# Altium PCB PCB.PcbDoc (part 6 of 10)
Units mil, origin at the board's own origin, x right, y up, seen from the top; angles counter-clockwise.
Board outline 4370.08 x 4921.26 mil, 6 copper layers (Component Side, Ground Plane I, Signal Layer 1, Power Plane, Ground Plane II, Solder Side), stack 57.638 mil thick; 274 components, 415 nets, 1726 pads, 902 vias.
Unrouted connection lines stored in the file: 2.
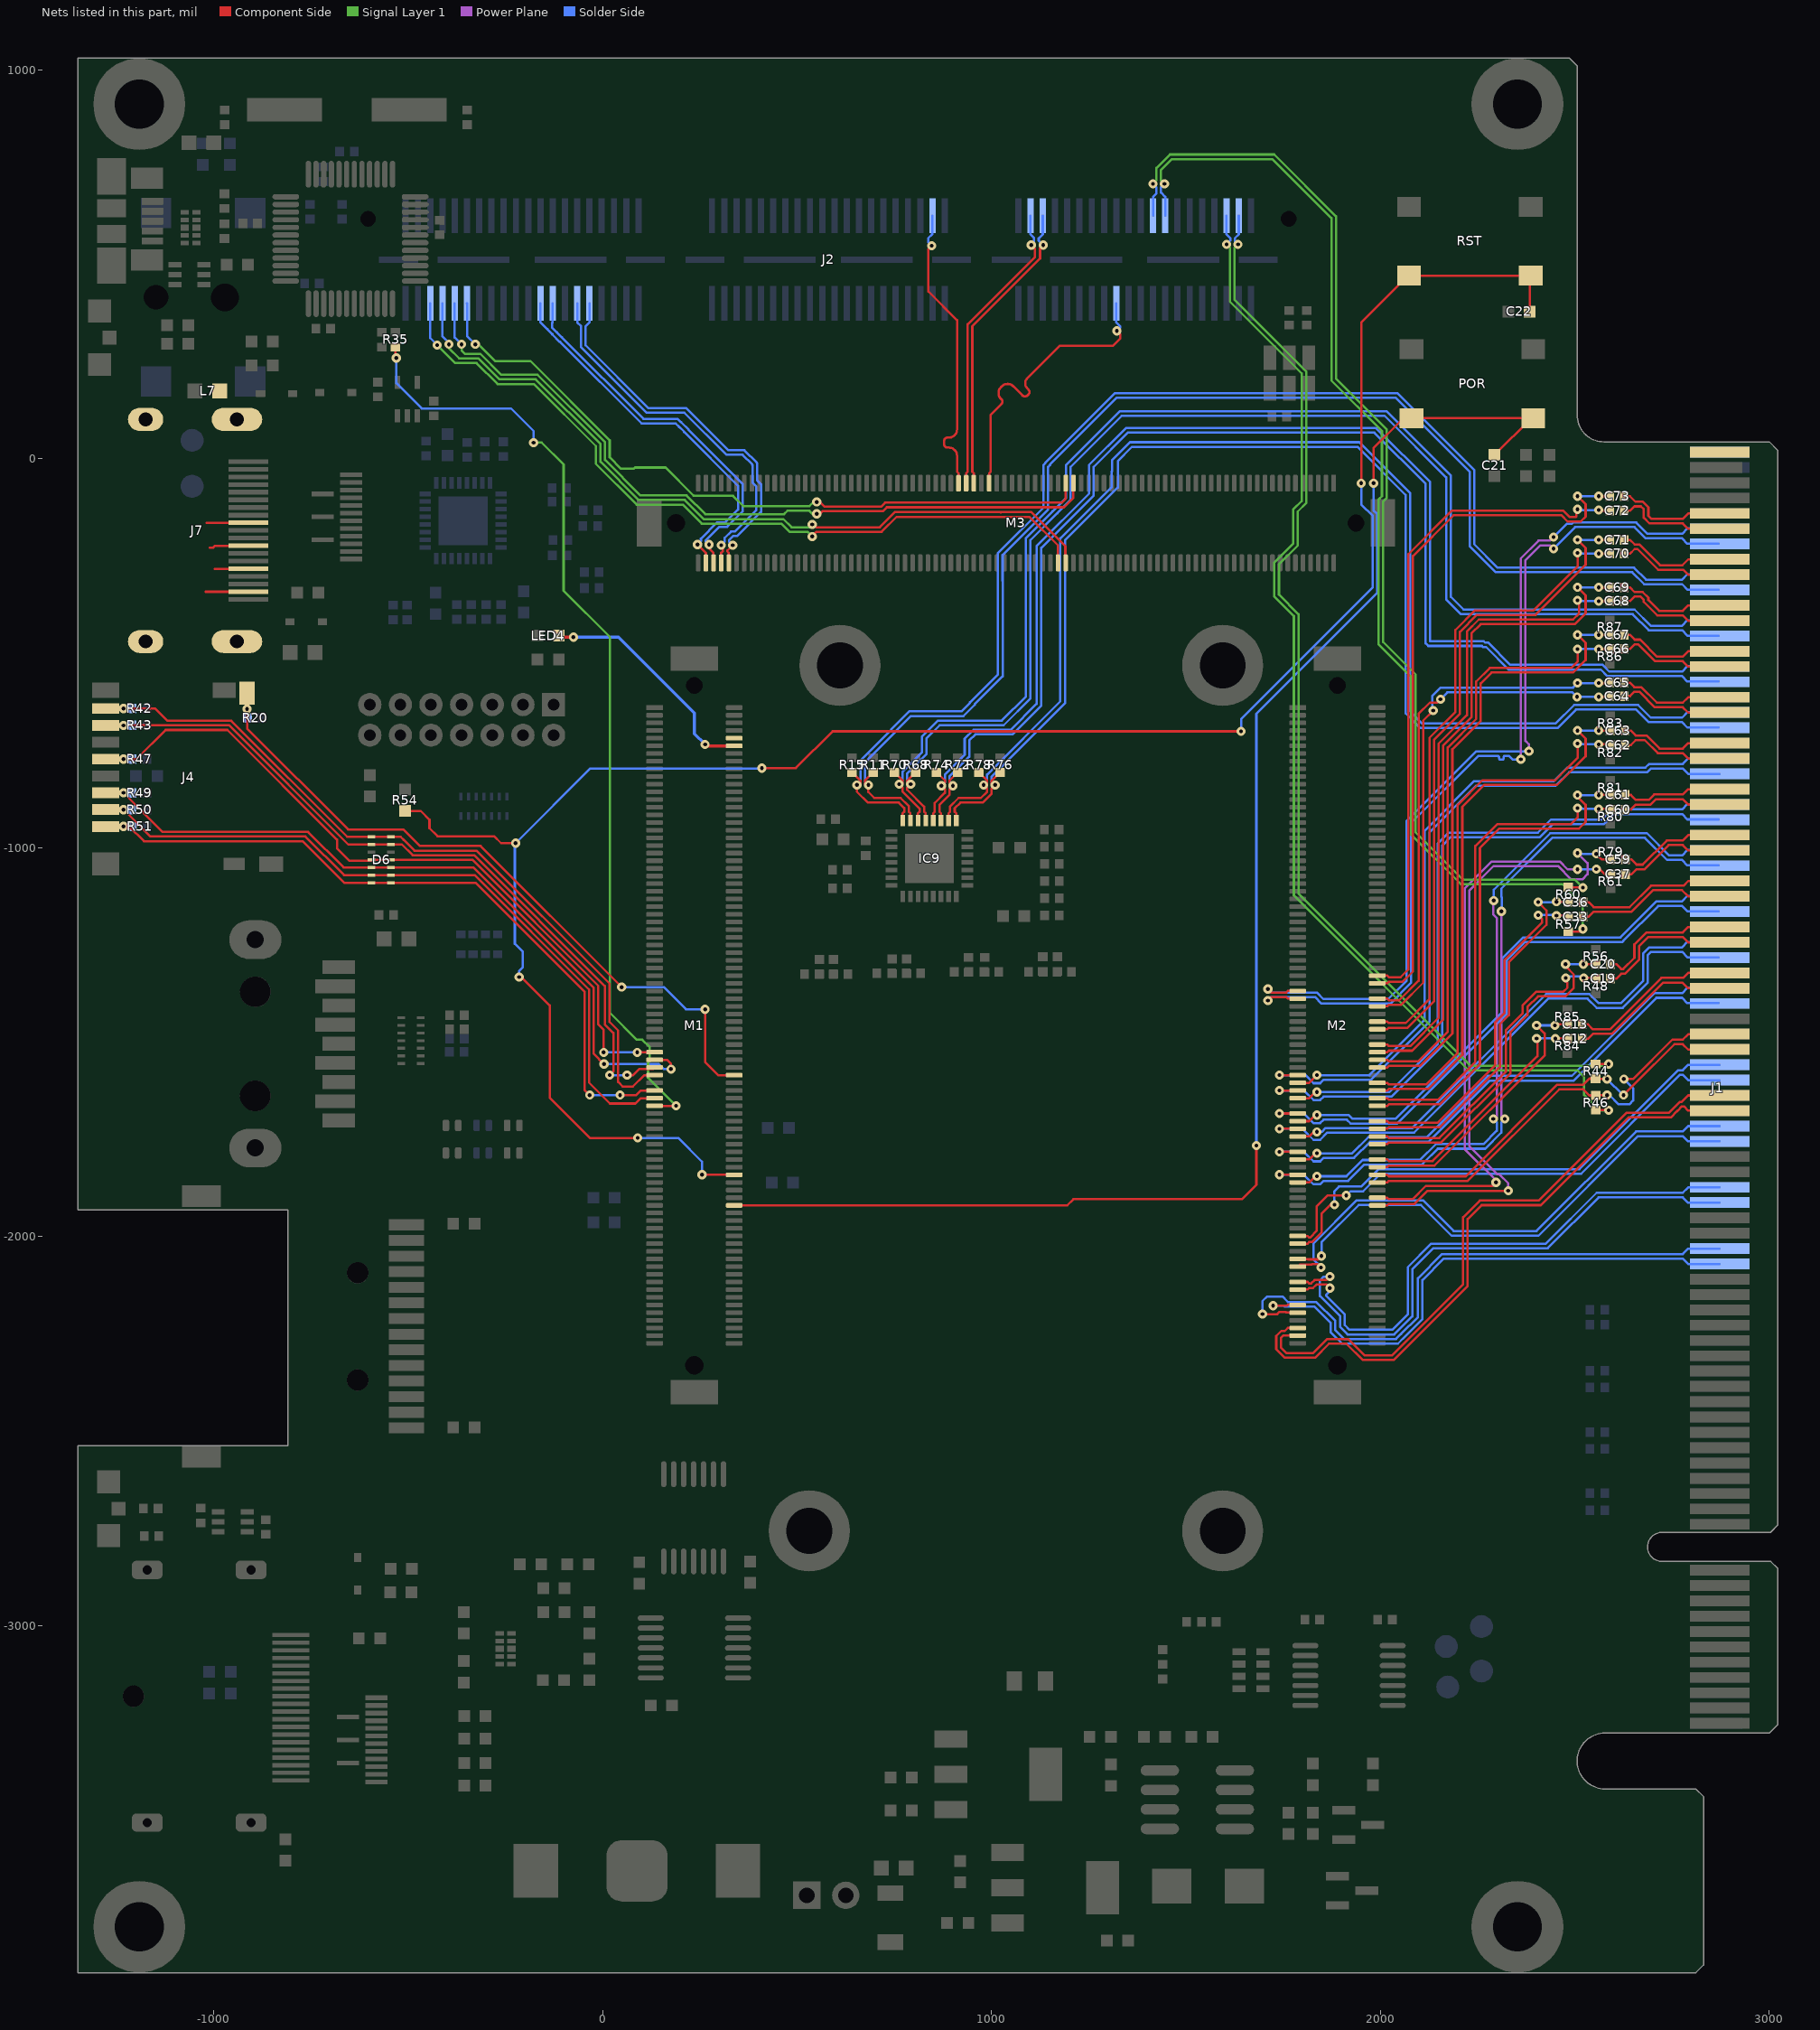
[diagram p10: the nets of this part, all layers, seen from the top]

## Via types
v1: diameter 23.62, hole 9.84, Component Side to Solder Side, 902 vias

## Nets (pads, with @x,y where several pads share a name; then routed paths per layer and width w, separated by ;. In a path a pad name is that pad's centre, name@x,y a point inside that pad or via, vN(x,y) a via of type N, cw(c..) or ccw(c..) an arc to the next point about the centre after c; other vN are vias at no path point) (continued)
PREPROC_C_LVDS_0_N: C73.1 J1.B78 | length 287.4
  Component Side w5.91: C73.1@2627.17,-96.46 2641.71,-96.46 2655.96,-110.71 2674.66,-110.71 2688.98,-125.03 2688.98,-146.72 2696.84,-154.58 2777.53,-154.58 2791.31,-140.8 J1.B78@2872.05,-140.8
PREPROC_C_LVDS_0_P: C72.1 J1.B77 | length 286.2
  Component Side w5.91: C72.1@2627.17,-133.86 2641.71,-133.86 2653.04,-122.52 2669.77,-122.52 2677.17,-129.92 2677.17,-151.61 2691.95,-166.39 2777.53,-166.39 2791.31,-180.17 J1.B77@2872.05,-180.17
PREPROC_C_LVDS_1_N: C71.1 J1.B75 | length 277.9
  Component Side w5.91: C71.1@2627.17,-208.66 2641.71,-208.66 2653.52,-220.48 2665.66,-220.48 2718.8,-273.62 2776.61,-273.62 2791.31,-258.91 J1.B75@2872.05,-258.91
PREPROC_C_LVDS_1_P: C70.1 J1.B74 | length 277.1
  Component Side w5.91: C70.1@2627.17,-244.1 2641.71,-244.1 2653.52,-232.29 2660.76,-232.29 2713.91,-285.43 2778.46,-285.43 2791.31,-298.28 J1.B74@2872.05,-298.28
PREPROC_C_LVDS_2_N: C69.1 J1.B72 | length 278.9
  Component Side w5.91: C69.1@2627.17,-330.71 2641.71,-330.71 2653.52,-342.52 2674,-342.52 2688.98,-357.49 2688.98,-363.27 2716.51,-390.8 2777.53,-390.8 2791.31,-377.02 J1.B72@2872.05,-377.02
PREPROC_C_LVDS_2_P: C68.1 J1.B71 | length 278.9
  Component Side w5.91: C68.1@2627.17,-366.14 2641.71,-366.14 2653.52,-354.33 2669.11,-354.33 2677.17,-362.38 2677.17,-368.17 2711.61,-402.62 2777.53,-402.62 2791.31,-416.39 J1.B71@2872.05,-416.39
PREPROC_C_LVDS_3_N: C67.1 J1.B69 | length 273.9
  Component Side w5.91: C67.1@2627.17,-452.76 2641.71,-452.76 2654.04,-465.09 2667.61,-465.09 2711.43,-508.91 2777.53,-508.91 2791.31,-495.13 J1.B69@2872.05,-495.13
PREPROC_C_LVDS_3_P: C66.1 J1.B68 | length 273.9
  Component Side w5.91: C66.1@2627.17,-489.24 2641.71,-489.24 2654.04,-476.9 2662.72,-476.9 2706.54,-520.73 2777.53,-520.73 2791.31,-534.5 J1.B68@2872.05,-534.5
PREPROC_C_LVDS_4_SSCLK_N: C65.1 J1.B66 | length 271.7
  Component Side w5.91: C65.1@2627.17,-575.87 2641.71,-575.87 2652.99,-587.15 2670.78,-587.15 2710.6,-626.97 2777.59,-626.97 2791.31,-613.24 J1.B66@2872.05,-613.24
PREPROC_C_LVDS_4_SSCLK_P: C64.1 J1.B65 | length 271.8
  Component Side w5.91: C64.1@2627.17,-610.24 2641.71,-610.24 2652.99,-598.96 2665.89,-598.96 2705.71,-638.78 2777.48,-638.78 2791.31,-652.62 J1.B65@2872.05,-652.62
PREPROC_C_LVDS_5_N: C63.1 J1.B63 | length 267.8
  Component Side w5.91: C63.1@2629.13,-698.82 2643.68,-698.82 2656.47,-711.61 2684.35,-711.61 2717.87,-745.13 2777.53,-745.13 2791.31,-731.36 J1.B63@2872.05,-731.36
PREPROC_C_LVDS_5_P: C62.1 J1.B62 | length 267.8
  Component Side w5.91: C62.1@2629.13,-736.22 2643.68,-736.22 2656.47,-723.43 2679.46,-723.43 2712.98,-756.95 2777.53,-756.95 2791.31,-770.73 J1.B62@2872.05,-770.73
PREPROC_C_LVDS_6_N: C61.1 J1.B60 | length 259.6
  Component Side w5.91: C61.1@2629.17,-864.31 2643.68,-864.31 2656.47,-877.1 2689.85,-877.1 2703.77,-863.19 2777.59,-863.19 2791.31,-849.47 J1.B60@2872.05,-849.47
PREPROC_C_LVDS_6_P: C60.1 J1.B59 | length 259.7
  Component Side w5.91: C60.1@2629.17,-901.71 2643.68,-901.71 2656.47,-888.92 2694.75,-888.92 2708.66,-875 2777.48,-875 2791.31,-888.84 J1.B59@2872.05,-888.84
PREPROC_C_LVDS_7_N: C36.1 J1.B54 | length 384.2
  Component Side w5.91: C36.1@2520.87,-1139.76 2535.41,-1139.76 2548.2,-1152.56 2640.79,-1152.56 2695.91,-1097.44 2779.56,-1097.44 2791.31,-1085.69 J1.B54@2872.05,-1085.69
PREPROC_C_LVDS_7_P: C33.1 J1.B53 | length 385.9
  Component Side w5.91: C33.1@2520.87,-1177.17 2535.41,-1177.17 2548.2,-1164.37 2645.69,-1164.37 2700.8,-1109.25 2775.51,-1109.25 2791.31,-1125.06 J1.B53@2872.05,-1125.06
PREPROC_C_LVDS_8_N: C20.1 J1.B51 | length 350.8
  Component Side w5.91: C20.1@2591.54,-1299.21 2606.27,-1299.21 2619.07,-1312.01 2624.02,-1312.01 2652.99,-1283.04 2652.99,-1248.62 2684.08,-1217.52 2777.59,-1217.52 2791.31,-1203.8 J1.B51@2872.05,-1203.8
PREPROC_C_LVDS_8_P: C19.1 J1.B50 | length 350.8
  Component Side w5.91: C19.1@2591.54,-1336.61 2606.27,-1336.61 2619.07,-1323.82 2628.91,-1323.82 2664.8,-1287.93 2664.8,-1253.51 2688.98,-1229.33 2777.48,-1229.33 2791.31,-1243.17 J1.B50@2872.05,-1243.17
PREPROC_C_LVDS_9_N: C13.1 J1.B48 | length 418.6
  Component Side w5.91: C13.1@2518.7,-1453.8 2533.44,-1453.8 2546.3,-1466.66 2590.42,-1466.66 2722.44,-1334.65 2778.57,-1334.65 2791.31,-1321.91 J1.B48@2872.05,-1321.91
PREPROC_C_LVDS_9_P: C12.1 J1.B47 | length 419.3
  Component Side w5.91: C12.1@2518.9,-1491.34 2533.44,-1491.34 2546.3,-1478.47 2595.32,-1478.47 2727.33,-1346.46 2776.49,-1346.46 2791.31,-1361.28 J1.B47@2872.05,-1361.28
PREPROC_C_LVDS_SSCLK_N: C59.1 J1.B57 | length 278.8
  Component Side w5.91: C59.1@2629.92,-1030.45 2645.64,-1030.45 2658.44,-1043.24 2674.31,-1043.24 2736.19,-981.36 2777.53,-981.36 2791.31,-967.58 J1.B57@2872.05,-967.58
PREPROC_C_LVDS_SSCLK_P: C37.1 J1.B56 | length 278.8
  Component Side w5.91: C37.1@2629.92,-1067.85 2645.64,-1067.85 2658.44,-1055.05 2679.2,-1055.05 2741.09,-993.17 2777.53,-993.17 2791.31,-1006.95 J1.B56@2872.05,-1006.95
PREPROC_LVDS_0_N: C73.2 M2.74 | length 1814.3
  Component Side w5.91: M2.74@1992.13,-1348.43 2017.69,-1348.43 2021.63,-1344.49 2057.03,-1344.49 2083.63,-1317.88 2083.63,-250 2187.96,-145.67 2465.58,-145.67 2481.33,-161.42 2514.9,-161.42 2527.56,-148.76 2527.56,-117.13 v1(2506.89,-96.46) ; v1@2560.24,-96.46 v1(2561.02,-96.46) C73.2@2589.37,-96.46
  Solder Side w5.91: v1(2506.89,-96.46) v1@2560.24,-96.46
PREPROC_LVDS_0_P: C72.2 M2.72 | length 1744.7
  Component Side w5.91: M2.72@1992.13,-1328.74 2017.69,-1328.74 2021.63,-1332.68 2052.14,-1332.68 2071.82,-1312.99 2071.82,-245.11 2183.07,-133.86 2470.47,-133.86 2486.22,-149.61 2502.08,-149.61 2503.43,-148.25 2503.43,-133.38 v1(2506.89,-129.92) ; v1(2561.02,-131.89) 2562.99,-133.86 C72.2@2589.37,-133.86
  Solder Side w5.91: v1@2506.89,-131.89 2507.34,-131.78 v1@2514.96,-129.92 ; v1@2512.99,-131.89 v1@2558.27,-131.89
PREPROC_LVDS_1_N: C71.2 M2.86 | length 1702.2
  Component Side w5.91: M2.86@1992.13,-1466.54 2017.69,-1466.54 2021.63,-1462.6 2069.85,-1462.6 2137.8,-1394.66 2137.8,-722.44 2204.72,-655.51 2204.72,-444.94 2248.09,-401.57 2398.76,-401.57 2527.56,-272.78 2527.56,-229.33 v1(2506.89,-208.66) ; v1(2561.02,-208.66) C71.2@2589.37,-208.66
  Solder Side w5.91: v1(2506.89,-208.66) v1(2561.02,-208.66)
PREPROC_LVDS_1_P: C70.2 M2.84 | length 1628.1
  Component Side w5.91: M2.84@1992.13,-1446.85 2017.69,-1446.85 2021.63,-1450.79 2064.96,-1450.79 2125.98,-1389.76 2125.98,-717.55 2192.91,-650.62 2192.91,-440.05 2243.2,-389.76 2393.87,-389.76 2506.89,-276.74 v1(2506.89,-242.12) ; v1(2561.02,-244.09) C70.2@2589.37,-244.1
  Solder Side w5.91: v1@2513.78,-244.09 v1@2559.06,-244.09
PREPROC_LVDS_2_N: C69.2 M2.92 | length 1699.7
  Component Side w5.91: M2.92@1992.13,-1525.59 2017.69,-1525.59 2021.63,-1521.65 2081.66,-1521.65 2161.42,-1441.9 2161.42,-737.18 2234.25,-664.34 2234.25,-448.82 2257.87,-425.2 2499.99,-425.2 2527.56,-397.62 2527.56,-351.38 v1(2506.89,-330.71) ; v1(2561.02,-330.71) C69.2@2589.37,-330.71
  Solder Side w5.91: v1(2506.89,-330.71) v1(2561.02,-330.71)
PREPROC_LVDS_2_P: C68.2 M2.90 | length 1638.5
  Component Side w5.91: M2.90@1992.13,-1505.91 2017.69,-1505.91 2021.63,-1509.84 2076.77,-1509.84 2149.61,-1437.01 2149.61,-732.28 2222.44,-659.45 2222.44,-443.93 2252.98,-413.39 2495.09,-413.39 2510.84,-397.64 2510.84,-368.12 v1(2506.89,-364.17) ; v1(2561.02,-366.14) C68.2@2589.37,-366.14
  Solder Side w5.91: v1(2506.89,-364.17) 2508.86,-366.14 v1(2561.02,-366.14)
PREPROC_LVDS_3_N: C67.2 M2.96 R87.2 | length 1609.5
  Component Side w5.91: M2.96@1992.13,-1564.96 2017.69,-1564.96 2021.63,-1561.02 2101.35,-1561.02 2185.04,-1477.33 2185.04,-746.96 2257.87,-674.13 2257.87,-577.73 2285.91,-549.69 2495.59,-549.69 2527.56,-517.72 2527.56,-473.43 v1(2506.89,-452.76) ; v1(2561.02,-452.76) C67.2@2589.37,-452.76
  Solder Side w5.91: v1(2506.89,-452.76) v1(2561.02,-452.76)
PREPROC_LVDS_3_P: C66.2 M2.94 R86.2 | length 1541.7
  Component Side w5.91: M2.94@1992.13,-1545.28 2017.69,-1545.28 2021.63,-1549.21 2096.46,-1549.21 2173.23,-1472.44 2173.23,-742.07 2246.06,-669.23 2246.06,-572.83 2281.02,-537.88 2490.69,-537.88 2507.4,-521.18 2507.4,-489.74 v1(2506.89,-489.24) ; v1(2561.02,-489.24) C66.2@2589.37,-489.24
  Solder Side w5.91: v1(2506.89,-489.24) v1(2561.02,-489.24)
PREPROC_LVDS_4_SSCLK_N: C65.2 M2.80 | length 1361.4
  Component Side w5.91: M2.80@1992.13,-1407.48 2017.69,-1407.48 2021.63,-1403.54 2053.59,-1403.54 2110.24,-1346.89 2110.24,-673.23 v1(2135.83,-647.64) ; v1(2561.02,-576.77) 2588.46,-576.77 C65.2@2589.37,-575.87
  Solder Side w5.91: v1(2135.83,-647.64) 2133.86,-645.67 2133.86,-609.55 2154.82,-588.58 2482.28,-588.58 2495.08,-588.58 v1(2506.89,-576.77) v1(2561.02,-576.77)
PREPROC_LVDS_4_SSCLK_P: C64.2 M2.78 | length 1334.3
  Component Side w5.91: M2.78@1992.13,-1387.8 2017.69,-1387.8 2021.63,-1391.73 2048.69,-1391.73 2098.43,-1342 2098.43,-655.81 2127.27,-626.97 2145.67,-626.97 v1(2154.53,-618.11) ; v1(2561.02,-612.2) 2587.4,-612.2 C64.2@2589.37,-610.24
  Solder Side w5.91: v1(2154.53,-618.11) 2172.24,-600.39 2482.28,-600.39 2493.76,-600.39 v1(2505.57,-612.2) v1(2561.02,-612.2)
PREPROC_LVDS_5_N: C63.2 M2.102 R83.2 | length 1415.1
  Component Side w5.91: M2.102@1992.13,-1624.02 2017.69,-1624.02 2021.63,-1620.08 2123,-1620.08 2210.63,-1532.45 2210.63,-894.69 2266.73,-838.58 2453.88,-838.58 2527.56,-764.9 2527.56,-719.49 v1(2506.89,-698.82) ; v1(2561.02,-698.82) C63.2@2591.34,-698.82
  Solder Side w5.91: v1@2513.39,-698.82 v1@2558.66,-698.82
PREPROC_LVDS_5_P: C62.2 M2.100 R82.2 | length 1355.5
  Component Side w5.91: M2.100@1992.13,-1604.33 2017.69,-1604.33 2021.63,-1608.27 2118.11,-1608.27 2198.82,-1527.56 2198.82,-889.79 2261.84,-826.77 2448.99,-826.77 2506.89,-768.87 v1@2506.89,-734.25 ; v1(2561.02,-734.25) 2589.37,-734.25 C62.2@2591.34,-736.22
  Solder Side w5.91: v1@2506.89,-734.25 2507.44,-734.09 v1@2513.39,-732.28 ; v1@2511.42,-734.25 v1@2556.69,-734.25
  other v1: 2506.89,-732.28
PREPROC_LVDS_6_N: C61.2 M2.106 R81.2 | length 1327.4
  Component Side w5.91: M2.106@1992.13,-1663.39 2017.69,-1663.39 2021.63,-1659.45 2152.53,-1659.45 2255.91,-1556.07 2255.91,-1000.48 2305.6,-950.79 2510.8,-950.79 2527.56,-934.03 2527.56,-889.73 2506.89,-869.06 v1(2506.89,-864.83) ; v1(2561.02,-864.83) 2561.55,-864.31 C61.2@2591.38,-864.31
  Solder Side w5.91: v1(2506.89,-864.83) v1(2561.02,-864.83) v1@2562.99,-864.83
PREPROC_LVDS_6_P: C60.2 M2.104 R80.2 | length 1253.4
  Component Side w5.91: M2.104@1992.13,-1643.7 2017.69,-1643.7 2021.63,-1647.64 2147.64,-1647.64 2244.09,-1551.18 2244.09,-995.59 2300.7,-938.98 2490,-938.98 2506.89,-922.09 v1(2506.89,-898.29) ; v1(2561.02,-900.26) 2589.93,-900.26 C60.2@2591.38,-901.71
  Solder Side w5.91: v1@2506.89,-900.26 2507.24,-900.2 v1@2517.72,-898.29 ; v1@2515.75,-900.26 v1(2561.02,-900.26)
PREPROC_LVDS_7_N: C36.2 M2.112 R60.2 | length 945.4
  Component Side w5.91: M2.112@1992.13,-1722.44 2017.69,-1722.44 2021.63,-1718.5 2152.53,-1718.5 2307.09,-1563.95 2307.09,-1453.74 2330.71,-1430.12 2330.71,-1294.26 2427.17,-1197.81 2427.17,-1161.41 v1(2405.51,-1139.76) ; v1(2452.76,-1138.84) 2452.89,-1138.98 R60.2@2483.07,-1138.98
  Solder Side w5.91: v1@2401.57,-1139.76 v1(2405.51,-1139.76) 2451.83,-1139.76 v1(2452.76,-1138.84)
PREPROC_LVDS_7_P: C33.2 M2.110 R57.2 | length 885.1
  Component Side w5.91: M2.110@1992.13,-1702.76 2017.69,-1702.76 2021.63,-1706.69 2147.64,-1706.69 2295.28,-1559.06 2295.28,-1448.85 2318.9,-1425.23 2318.9,-1289.37 2415.35,-1192.91 2415.35,-1183.07 v1(2405.51,-1173.23) ; v1(2452.76,-1174.28) 2479.39,-1174.28 R57.2@2483.07,-1177.95
  Solder Side w5.91: v1(2405.51,-1173.23) 2451.71,-1173.23 v1(2452.76,-1174.28)
PREPROC_LVDS_8_N: C20.2 M2.116 R56.2 | length 893.1
  Component Side w5.91: M2.116@1992.13,-1761.81 2017.69,-1761.81 2021.63,-1757.87 2156.47,-1757.87 2334.65,-1579.7 2334.65,-1473.49 2377.95,-1430.18 2377.95,-1409.45 2405.51,-1381.89 2475.36,-1381.89 2497.05,-1360.21 2497.05,-1326.08 2476.01,-1305.05 v1(2476.01,-1299.21) ; v1(2521.65,-1299.21) C20.2@2553.74,-1299.21
  Solder Side w5.91: v1(2476.01,-1299.21) v1(2521.65,-1299.21)
PREPROC_LVDS_8_P: C19.2 M2.114 R48.2 | length 833.5
  Component Side w5.91: M2.114@1992.13,-1742.13 2017.69,-1742.13 2021.63,-1746.06 2151.57,-1746.06 2322.83,-1574.8 2322.83,-1468.6 2366.14,-1425.29 2366.14,-1404.56 2400.62,-1370.08 2470.47,-1370.08 2480.81,-1359.74 2480.81,-1347.64 2476.38,-1343.21 v1(2476.38,-1334.65) ; v1@2477.98,-1330.71 v1@2478.96,-1331.69 ; v1(2522.64,-1334.65) 2551.77,-1334.65 C19.2@2553.74,-1336.61
  Solder Side w5.91: v1(2476.38,-1334.65) 2480.32,-1330.71 2517.72,-1330.71 v1@2521.65,-1334.65
PREPROC_LVDS_9_N: C13.2 M2.122 R85.2 | length 715.3
  Component Side w5.91: M2.122@1992.13,-1820.87 2017.69,-1820.87 2021.63,-1816.93 2139.24,-1816.93 2422.24,-1533.93 2422.24,-1477.36 v1(2401.57,-1456.69) ; v1(2448.82,-1456.69) 2451.71,-1453.8 C13.2@2480.91,-1453.8
  Solder Side w5.91: v1(2401.57,-1456.69) v1(2448.82,-1456.69)
PREPROC_LVDS_9_P: C12.2 M2.120 R84.2 | length 650.7
  Component Side w5.91: M2.120@1992.13,-1801.18 2017.69,-1801.18 2021.63,-1805.12 2134.35,-1805.12 2403.54,-1535.93 2403.54,-1492.13 v1(2401.57,-1490.16) ; v1(2449.8,-1490.22) C12.2@2481.1,-1490.22
  Solder Side w5.91: v1(2401.57,-1490.16) 2449.75,-1490.16 v1(2449.8,-1490.22)
PREPROC_LVDS_10_N: J1.B44 M2.126 R46.2 | length 1135.8
  Component Side w5.91: M2.126@1992.13,-1860.24 2017.69,-1860.24 2021.63,-1856.3 2224.41,-1856.3 2459.65,-1621.06 2521.83,-1621.06 2537.38,-1636.61 R46.2@2553.74,-1636.61 2554.53,-1635.83 v1(2582.68,-1635.83) ; v1(2625.98,-1594.49) 2649.51,-1594.49 2750.83,-1493.17 2777.53,-1493.17 2791.31,-1479.39 J1.B44@2872.05,-1479.39
  Solder Side w5.91: v1(2582.68,-1635.83) 2588.58,-1635.83 2612.2,-1659.45 2639.76,-1659.45 2649.61,-1649.61 2649.61,-1618.11 v1(2625.98,-1594.49)
PREPROC_LVDS_10_P: J1.B43 M2.124 R44.2 | length 1068.8
  Component Side w5.91: M2.124@1992.13,-1840.55 2017.69,-1840.55 2021.63,-1844.49 2219.52,-1844.49 2454.76,-1609.25 2521.83,-1609.25 2537.38,-1593.7 R44.2@2553.15,-1593.7 2553.94,-1594.49 v1(2582.68,-1594.49) v1@2588.58,-1594.49 ; v1(2625,-1635.83) 2655.63,-1605.2 2655.63,-1605.07 2755.73,-1504.98 2777.53,-1504.98 2791.31,-1518.76 J1.B43@2872.05,-1518.76
  Solder Side w5.91: v1(2582.68,-1594.49) 2624.02,-1635.83 v1(2625,-1635.83)
PREPROC_LVDS_11_N: J1.A42 M2.141 | length 1323.4
  Component Side w5.91: M2.141@1787.4,-2017.72 1812.97,-2017.72 1816.91,-2013.78 1823.79,-2013.78 1848.43,-1989.14 1848.43,-1940.94 1872.05,-1917.32 v1(1881.89,-1917.32)
  Solder Side w5.91: v1(1881.89,-1917.32) 1881.89,-1882.85 1893.67,-1871.06 1950.82,-1871.06 1995.62,-1826.26 2511.37,-1826.26 2765.72,-1571.91 2777.53,-1571.91 2791.31,-1558.13 J1.A42@2872.05,-1558.13
PREPROC_LVDS_11_P: J1.A41 M2.139 | length 1302.1
  Component Side w5.91: M2.139@1787.4,-1998.03 1812.97,-1998.03 1816.91,-2001.97 1818.9,-2001.97 1836.61,-1984.25 1836.61,-1921.26 1864.17,-1893.7 v1(1912.4,-1893.7)
  Solder Side w5.91: v1(1912.4,-1893.7) 1923.23,-1882.87 1955.71,-1882.87 2000.51,-1838.07 2516.26,-1838.07 2770.61,-1583.72 2777.53,-1583.72 2791.31,-1597.5 J1.A41@2872.05,-1597.5
PREPROC_LVDS_12_N: J1.A38 M2.147 | length 1361.9
  Component Side w5.91: M2.147@1793.31,-2071.85 1822.83,-2071.85 1824.8,-2069.88 1838.31,-2069.88 v1(1847.17,-2078.74)
  Solder Side w5.91: v1(1847.17,-2078.74) 1847.17,-2077.19 1827.76,-2057.77 1827.76,-2018.04 1939.3,-1906.5 2109.25,-1906.5 2188.05,-1985.29 2401.55,-1985.29 2657.45,-1729.39 2777.53,-1729.39 2791.31,-1715.61 J1.A38@2872.05,-1715.61
PREPROC_LVDS_12_P: J1.A37 M2.145 | length 1309.8
  Component Side w5.91: M2.145@1787.4,-2057.09 1812.97,-2057.09 1813.95,-2058.07 1839.57,-2058.07 v1(1848.43,-2049.21)
  Solder Side w5.91: v1@1850.39,-2049.21 v1(1848.43,-2049.21) 1848.43,-2014.08 1944.19,-1918.31 2104.36,-1918.31 2183.16,-1997.1 2406.44,-1997.1 2662.35,-1741.2 2777.53,-1741.2 2791.31,-1754.98 J1.A37@2872.05,-1754.98
PREPROC_LVDS_13_N: J1.A34 M2.153 | length 1403.6
  Component Side w5.91: M2.153@1787.4,-2135.83 1812.97,-2135.83 1816.91,-2131.89 1826.77,-2131.89 1835.63,-2123.03 1861.22,-2123.03 v1(1870.08,-2131.89)
  Solder Side w5.91: v1@1870.08,-2129.92 v1(1870.08,-2131.89) 1870.08,-2139.76 1860.71,-2149.13 1860.71,-2151.76 1908.46,-2199.51 1908.46,-2227.07 1920.57,-2239.17 2030.51,-2239.17 2070.21,-2199.48 2070.21,-2078.44 2130.93,-2017.72 2425.2,-2017.72 2556.05,-1886.87 2777.53,-1886.87 2791.31,-1873.09 J1.A34@2872.05,-1873.09
PREPROC_LVDS_13_P: J1.A33 M2.151 | length 1468.5
  Component Side w5.91: M2.151@1787.4,-2116.14 1812.97,-2116.14 1816.91,-2120.08 1821.88,-2120.08 1830.74,-2111.22 1861.22,-2111.22 v1(1870.08,-2102.36)
  Solder Side w5.91: v1(1870.08,-2102.36) 1854.33,-2102.36 1844.49,-2112.2 1844.49,-2152.23 1896.65,-2204.4 1896.65,-2231.96 1915.68,-2250.98 2035.4,-2250.98 2082.02,-2204.37 2082.02,-2083.34 2135.83,-2029.53 2430.09,-2029.53 2560.94,-1898.68 2777.53,-1898.68 2791.31,-1912.46 J1.A33@2872.05,-1912.46
PREPROC_LVDS_14_N: J1.A30 M2.159 | length 1520.8
  Component Side w5.91: v1(1696.85,-2198.82) 1734.55,-2198.82 1739.47,-2193.9 1756.59,-2193.9 1757.58,-2194.88 M2.159@1787.4,-2194.88
  Solder Side w5.91: v1(1696.85,-2198.82) 1696.85,-2165.35 1708.66,-2153.54 1748.03,-2153.54 1761.81,-2167.32 1834.91,-2167.32 1883.86,-2216.27 1883.86,-2240.16 1906.5,-2262.8 2040.3,-2262.8 2053.09,-2250 2053.15,-2250 2096.46,-2206.69 2096.46,-2106.38 2158.49,-2044.35 2777.53,-2044.35 2791.31,-2030.57 J1.A30@2872.05,-2030.57
PREPROC_LVDS_14_P: J1.A29 M2.157 | length 1420.8
  Component Side w5.91: v1(1724.41,-2177.17) 1759.82,-2177.17 1761.79,-2175.2 M2.157@1787.4,-2175.2
  Solder Side w5.91: v1(1724.41,-2177.17) 1751.97,-2177.17 1753.94,-2179.13 1830.02,-2179.13 1872.05,-2221.16 1872.05,-2245.05 1901.6,-2274.61 2045.19,-2274.61 2057.98,-2261.81 2058.04,-2261.81 2108.27,-2211.59 2108.27,-2111.28 2163.39,-2056.16 2777.53,-2056.16 2791.31,-2069.94 J1.A29@2872.05,-2069.94
PREPROC_LVDS_15_N: J1.B40 M2.165 | length 1614.7
  Component Side w5.91: M2.165@1787.4,-2253.94 1750,-2253.94 1744.09,-2259.84 1744.09,-2284.25 1759.06,-2299.21 1826.77,-2299.21 1863.19,-2262.8 1917.29,-2262.8 1959.62,-2305.12 2029.53,-2305.12 2212.6,-2122.05 2212.6,-1949.83 2255.43,-1907 2407.29,-1907 2633.11,-1681.19 2742.1,-1681.19 2770.1,-1653.18 2774.76,-1653.18 2791.33,-1636.61 J1.B40@2872.05,-1636.61
PREPROC_LVDS_15_P: J1.B39 M2.163 | length 1652.7
  Component Side w5.91: M2.163@1787.4,-2234.25 1761.79,-2234.25 1753.91,-2242.13 1745.11,-2242.13 1732.28,-2254.95 1732.28,-2289.14 1754.17,-2311.02 1831.66,-2311.02 1868.08,-2274.61 1912.4,-2274.61 1954.72,-2316.93 2034.42,-2316.93 2224.41,-2126.94 2224.41,-1954.72 2260.32,-1918.81 2412.19,-1918.81 2638,-1693 2746.99,-1693 2762.54,-1677.45 ; 2764,-1675.99 2775,-1665 2780.34,-1665 2791.33,-1675.98 J1.B39@2872.05,-1675.98